# Altium PCB 掌控拓展板Ⅰ V2.0.PcbDoc (part 2 of 2)
Units mm, origin at the board's own origin, x right, y up, seen from the top; angles counter-clockwise.
Board outline 51.8 x 47.39 mm, 2 copper layers (Top Layer, Bottom Layer); 114 components, 71 nets, 372 pads, 179 vias.
Unrouted connection lines stored in the file: 4.
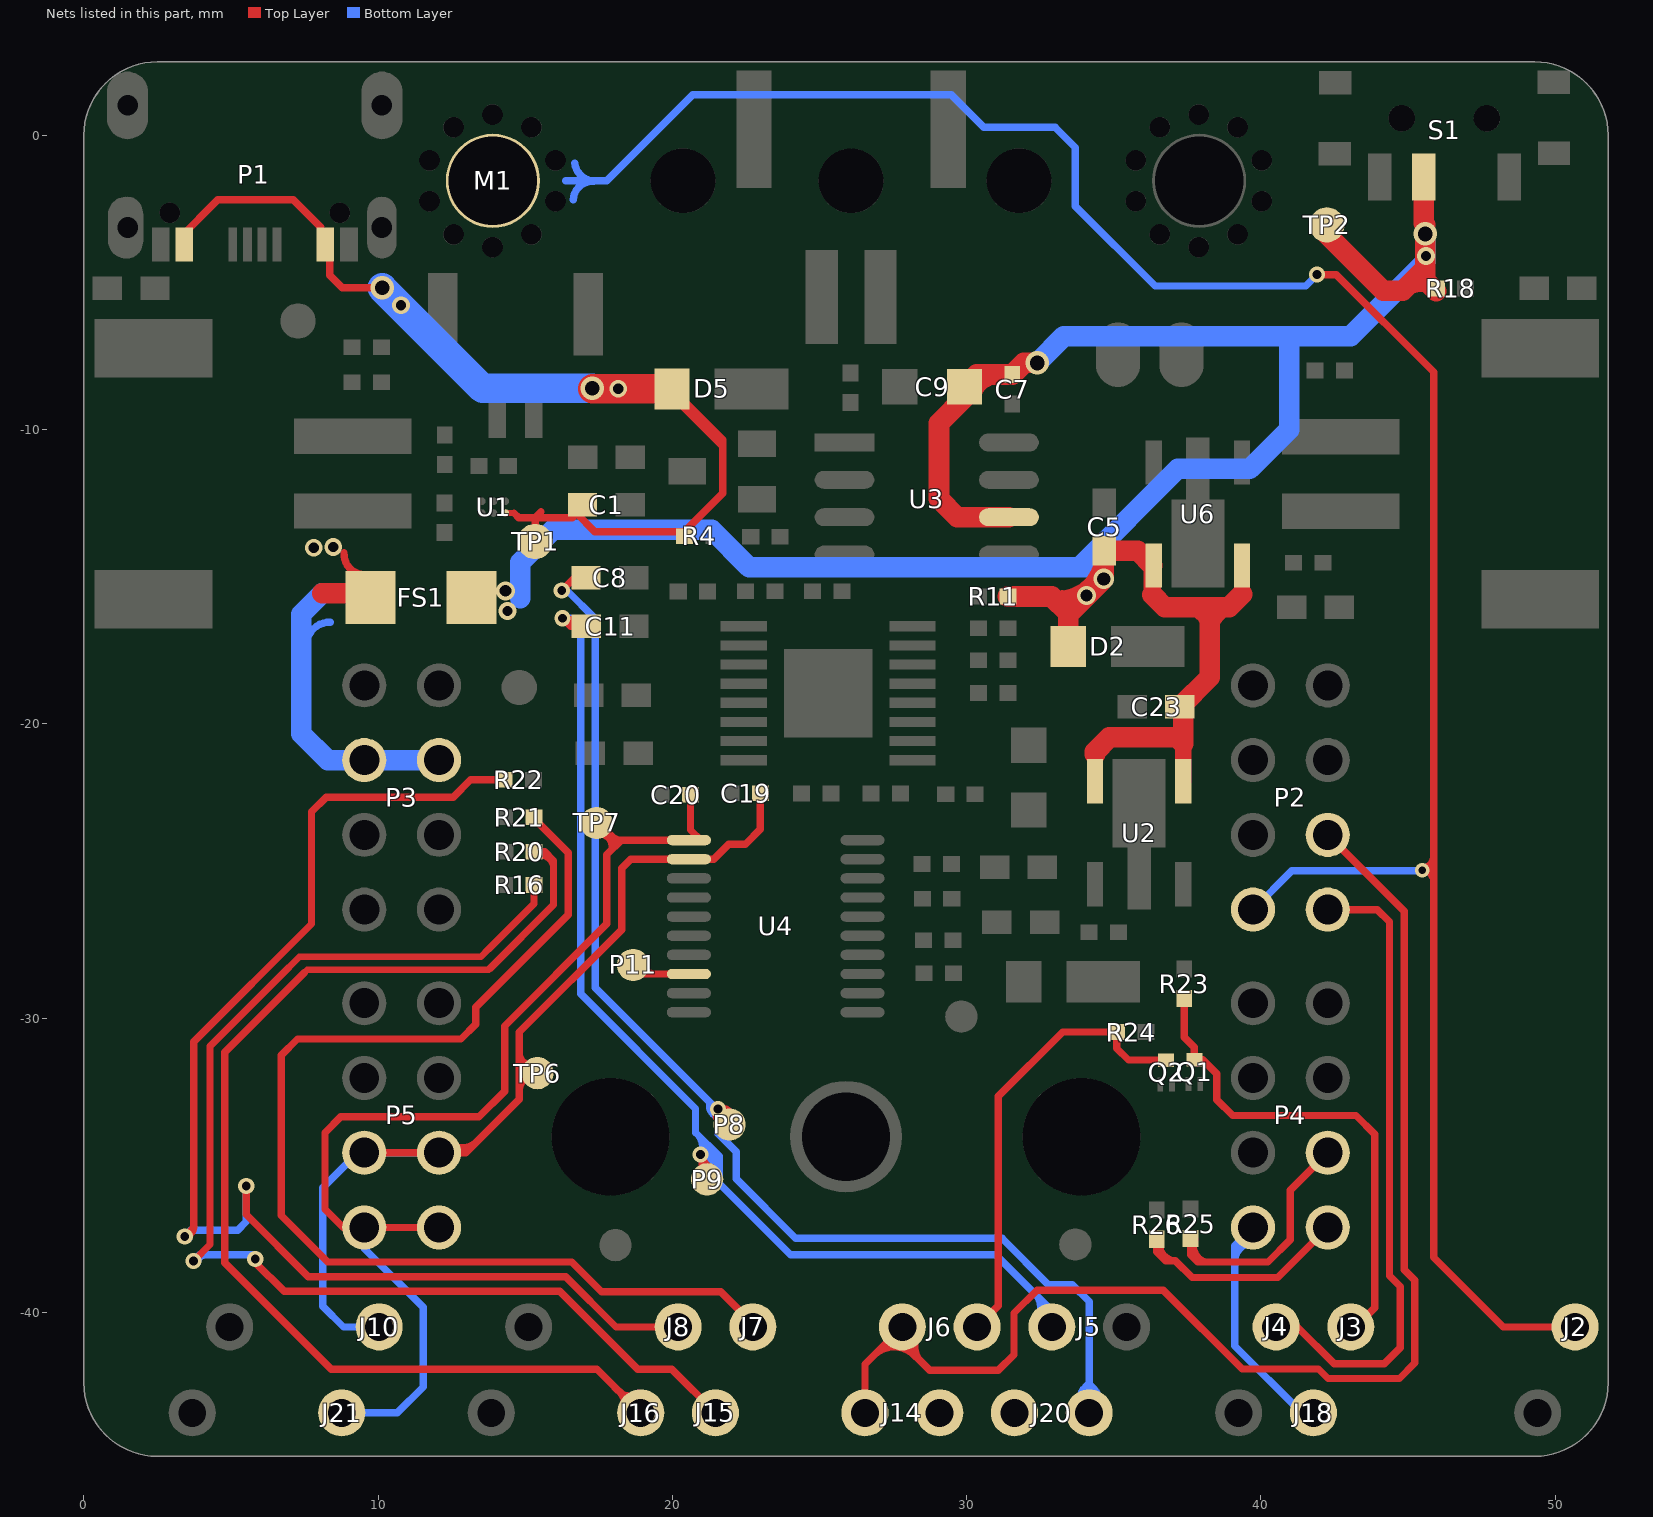
[diagram p2: the nets of this part, all layers, seen from the top]

## Via types
v1: diameter 0.5, hole 0.25, Top Layer to Bottom Layer, tented both sides, 78 vias
v2: diameter 0.55, hole 0.3, Top Layer to Bottom Layer, tented both sides, 70 vias
v3: diameter 0.6, hole 0.35, Top Layer to Bottom Layer, tented both sides, 9 vias
v4: diameter 0.8, hole 0.5, Top Layer to Bottom Layer, tented both sides, 8 vias
v5: diameter 0.55, hole 0.25, Top Layer to Bottom Layer, tented both sides, 7 vias
v6: diameter 0.6, hole 0.3, Top Layer to Bottom Layer, tented both sides, 3 vias
v7: diameter 0.65, hole 0.4, Top Layer to Bottom Layer, tented both sides, 2 vias
v8: diameter 0.65, hole 0.35, Top Layer to Bottom Layer, tented both sides, 1 vias
v9: diameter 0.7, hole 0.45, Top Layer to Bottom Layer, tented both sides, 1 vias

## Nets (pads, with @x,y where several pads share a name; then routed paths per layer and width w, separated by ;. In a path a pad name is that pad's centre, name@x,y a point inside that pad or via, vN(x,y) a via of type N, cw(c..) or ccw(c..) an arc to the next point about the centre after c; other vN are vias at no path point) (continued)
P2: J6.2 J14.2 P2.4 | length 48
  Top Layer w0.22: 26.897,-41.423 cw(c27.536,-42.164) 28.277,-41.526 ; J6.2@28.284,-40.765 ccw(c28.689,-41.121) 28.333,-41.526 ; J6.2@28.439,-40.628 ccw(c29.044,-41.144) 28.528,-41.749
  Top Layer w0.25: J14.2@26.544,-43.412 26.544,-41.762 J6.2@27.814,-40.492 27.814,-41.038 28.744,-41.968 31.071,-41.968 31.608,-41.43 31.608,-40.02 32.389,-39.239 36.676,-39.239 39.36,-41.923 41.957,-41.923 42.277,-42.243 44.707,-42.243 45.232,-41.718 45.232,-38.909 44.87,-38.547 44.87,-26.37 P2.4@42.27,-23.77
P3: J2.1 M1.1 P2.1 | length 82.6
  Top Layer w0.25: P2.1@39.211,-26.31 P2.1@39.73,-26.31 ; v2(41.908,-4.732) 42.56,-4.732 45.87,-8.042 45.87,-24.988 ; v1@45.467,-24.891 ccw(c45.489,-24.511) 45.869,-24.532 ; 45.869,-25.349 ccw(c45.488,-25.352) v1(45.485,-24.971) 45.852,-24.971 45.87,-24.988 ; J2.1@50.674,-40.492 48.229,-40.492 45.87,-38.132 45.87,-24.988
  Bottom Layer w0.25: 16.379,-1.545 17.771,-1.545 20.697,1.381 29.48,1.381 30.585,0.276 33.005,0.276 33.695,-0.414 33.695,-2.41 36.405,-5.119 41.521,-5.119 v2(41.908,-4.732) ; 16.629,-2.197 cw(c17.295,-2.227) 17.326,-1.561 ; 16.686,-0.945 ccw(c17.352,-0.877) 17.42,-1.543 ; P2.1@39.73,-26.31 41.052,-24.988 45.555,-24.988 v1@45.59,-24.953
P4: 
P5: P4.4 R25.1 | length 8.8
  Top Layer w0.25: R25.1@37.607,-37.488 37.607,-38.045 37.845,-38.283 40.24,-38.283 40.999,-37.525 40.999,-35.841 P4.4@42.27,-34.57 ; R25.1@37.749,-37.526 ccw(c38.288,-37.742) 38.072,-38.282
P5-A: J3.2 Q1.3 R23.2 | length 17.3
  Top Layer w0.25: R23.2@37.4,-29.331 37.4,-30.645 37.738,-30.984 Q1.3@37.738,-31.41 38.017,-31.41 38.498,-31.891 38.498,-32.769 39.038,-33.308 43.231,-33.308 43.87,-33.947 43.87,-39.834 43.211,-40.492 J3.2@43.054,-40.492 ; Q1.3@37.841,-31.509 cw(c37.933,-31.924) 38.208,-31.6
P6: J18.2 P4.1 | length 10.5
  Top Layer w0.25: J18.2@41.337,-43.412 J18.2@41.784,-43.412
  Bottom Layer w0.2: P4.1@39.122,-37.213 cw(c39.812,-37.306) P4.1@39.906,-36.616
  Bottom Layer w0.25: 39.12,-38.14 cw(c39.785,-38.295) P4.1@39.94,-37.631 ; P4.1@39.73,-37.11 39.116,-37.724 39.116,-41.137 41.391,-43.412 J18.2@41.784,-43.412
P7: J4.1 P2.2 | length 21.9
  Top Layer w0.25: J4.1@40.514,-40.492 41.239,-40.492 42.491,-41.743 44.191,-41.743 44.732,-41.202 44.732,-39.116 44.37,-38.754 44.37,-26.723 43.957,-26.31 P2.2@42.27,-26.31
P8: C8.2 J20.1 P8.1 | length 46.4
  Top Layer w0.2: v2@21.489,-33.002 ccw(c21.963,-33.21) P8.1@21.755,-33.683 ; v2@21.536,-33.031 cw(c21.624,-33.511) P8.1@22.103,-33.423 ; v2@21.7,-33.057 cw(c21.695,-33.322) P8.1@21.96,-33.327
  Top Layer w0.25: v2(16.243,-15.467) 16.679,-15.031 C8.2@17.056,-15.031
  Bottom Layer w0.22: 21.261,-32.854 ccw(c21.663,-32.963) v2@21.553,-33.365 ; 21.539,-33.444 ccw(c21.366,-33.264) v2(21.546,-33.091) ; J20.1@33.953,-43.552 cw(c34.627,-43.08) 34.155,-42.406 ; 34.172,-42.449 cw(c33.863,-43.006) J20.1@34.42,-43.315
  Bottom Layer w0.25: v2(16.243,-15.467) 16.42,-15.467 17.381,-16.429 17.381,-28.966 v2@21.526,-33.111 ; v2@21.546,-33.131 21.546,-33.917 22.167,-34.538 22.167,-35.458 24.193,-37.483 31.205,-37.483 32.775,-39.054 33.592,-39.054 34.165,-39.627 J20.1@34.165,-43.412
P9: C11.2 J5.2 P9.1 | length 43.5
  Top Layer w0.22: v2@20.881,-34.707 cw(c20.629,-34.979) P9.1@20.901,-35.23 ; v2@21.056,-34.56 ccw(c21.474,-34.666) P9.1@21.369,-35.084
  Top Layer w0.25: v2(16.268,-16.409) 16.537,-16.678 C11.2@17.076,-16.678 ; v2@16.318,-16.274 ccw(c16.591,-16.167) C11.2@16.698,-16.44 ; P9.1@21.179,-35.475 P9.1@21.381,-35.676
  Bottom Layer w0.22: 20.787,-33.886 cw(c20.397,-34.358) v2@20.869,-34.749 ; v2@20.901,-34.739 cw(c21.001,-35.327) 21.588,-35.227 ; v2@20.974,-34.54 cw(c21.069,-35.059) 21.588,-34.964 ; 32.199,-39.269 cw(c31.819,-39.84) J5.2@32.39,-40.221 ; 32.436,-39.496 cw(c32.05,-39.923) J5.2@32.478,-40.309
  Bottom Layer w0.25: v2(16.268,-16.409) 16.537,-16.409 16.881,-16.753 16.881,-29.174 20.787,-33.08 20.787,-33.886 ; 21.229,-34.328 20.787,-33.886 ; J5.2@32.894,-40.492 32.894,-39.943 30.986,-38.035 24.013,-38.035 21.594,-35.616 21.594,-34.693 20.787,-33.886
  other v2: 20.951,-34.634
P10: J20.2
P11: P4.2 R26.1 | length 8.3
  Top Layer w0.25: R26.1@36.458,-37.512 36.458,-37.931 36.766,-38.239 37.091,-38.239 37.662,-38.811 40.569,-38.811 P4.2@42.27,-37.11 ; R26.1@36.56,-37.466 ccw(c37.164,-37.638) 36.993,-38.241
P11-A: J6.1 Q2.3 R24.2 | length 15.8
  Top Layer w0.25: J6.1@30.457,-40.193 30.354,-40.295 J6.1@30.354,-40.492 31.072,-39.774 31.072,-32.656 33.26,-30.469 R24.2@35.095,-30.469 35.095,-31.018 35.498,-31.422 Q2.3@36.779,-31.422
P12: J14.1
P13: J7.2 R21.1 | length 39
  Top Layer w0.25: R21.1@15.291,-23.178 15.291,-23.205 16.463,-24.376 16.463,-26.482 13.316,-29.629 13.316,-30.205 12.817,-30.704 7.26,-30.704 6.711,-31.253 6.711,-36.703 8.291,-38.283 16.584,-38.283 17.593,-39.293 21.643,-39.293 22.734,-40.384 J7.2@22.734,-40.492
P14: J15.2 R16.1 | length 42.5
  Top Layer w0.22: 6.96,-28.279 7.322,-27.917 13.486,-27.917 13.768,-27.635
  Top Layer w0.25: v2(3.73,-38.249) 4.288,-37.692 4.288,-30.951 6.96,-28.279 ; v2@5.83,-38.041 5.83,-38.306 6.807,-39.283 16.17,-39.283 18.819,-41.932 19.985,-41.932 J15.2@21.464,-43.412 J15.2@21.464,-42.757 ; 13.768,-27.635 15.298,-26.106 R16.1@15.298,-25.473
  Bottom Layer w0.2: v2@3.877,-38.327 cw(c4.155,-38.342) 4.17,-38.064
  Bottom Layer w0.25: v2(3.73,-38.249) 3.938,-38.041 v2@5.83,-38.041
  other v2: 5.826,-38.18
P15: J8.1 R22.2 | length 44.9
  Top Layer w0.22: v2(3.432,-37.419) ccw(c3.432,-37.114) 3.737,-37.114
  Top Layer w0.25: v2(3.432,-37.419) 3.737,-37.114 3.737,-30.795 7.735,-26.797 7.735,-22.989 8.237,-22.486 12.55,-22.486 13.14,-21.897 R22.2@14.278,-21.897 ; v2(5.519,-35.701) 5.519,-36.672 7.631,-38.783 16.377,-38.783 18.085,-40.492 J8.1@20.194,-40.492
  Bottom Layer w0.2: v2@3.573,-37.493 cw(c3.848,-37.473) 3.827,-37.198
  Bottom Layer w0.25: v2(3.432,-37.419) 3.432,-37.4 3.629,-37.203 5.226,-37.203 5.519,-36.909 v2(5.519,-35.701)
P16: J16.1 R20.2 | length 41.6
  Top Layer w0.2: R20.2@15.39,-24.477 cw(c15.486,-24.939) 15.948,-24.842
  Top Layer w0.22: 7.487,-28.459 7.589,-28.357 13.753,-28.357 13.814,-28.297 ; 18.049,-42.58 cw(c17.713,-43.149) J16.1@18.282,-43.485 ; 18.056,-42.566 ccw(c18.531,-42.256) J16.1@18.841,-42.732
  Top Layer w0.25: 7.487,-28.459 4.788,-31.158 4.788,-38.308 8.405,-41.926 17.439,-41.926 J16.1@18.925,-43.412 ; 13.814,-28.297 15.963,-26.148 15.963,-24.645 15.661,-24.344 R20.2@15.304,-24.344
SCL: C19.2 J10.1 P5.3 P5.4 TP6.1 U4.12 | length 35.6
  Top Layer w0.25: P5.3@9.53,-34.57 P5.4@12.07,-34.57 12.977,-34.57 14.798,-32.749 14.798,-31.868 ; P5.4@12.385,-34.208 ccw(c12.859,-33.747) 13.32,-34.222 ; 14.797,-32.42 cw(c15.278,-32.452) TP6.1@15.31,-31.971 ; 14.797,-31.277 ccw(c15.215,-31.149) TP6.1@15.344,-31.567 ; TP6.1@15.416,-31.868 14.798,-31.868 ; C19.2@22.99,-22.351 22.99,-23.581 22.485,-24.086 21.917,-24.086 21.405,-24.598 U4.12@20.56,-24.598 18.58,-24.598 18.274,-24.904 18.274,-26.994 14.798,-30.47 14.798,-31.868
  Bottom Layer w0.25: J10.1@10.034,-40.492 8.823,-40.492 8.118,-39.786 8.118,-35.756 9.304,-34.57 P5.3@9.53,-34.57 P5.4@12.07,-34.57
SDA: C20.2 J21.1 P5.1 P5.2 TP7.1 U4.11 | length 42.6
  Top Layer w0.22: TP7.1@17.614,-23.757 cw(c17.506,-24.18) 17.928,-24.288 ; TP7.1@17.762,-23.322 ccw(c18.326,-23.384) 18.264,-23.948
  Top Layer w0.25: P5.2@12.07,-37.11 P5.1@9.53,-37.11 8.811,-37.11 8.196,-36.495 8.196,-33.887 8.734,-33.349 13.43,-33.349 14.298,-32.48 14.298,-30.262 17.774,-26.787 17.774,-24.438 18.264,-23.948 ; TP7.1@17.426,-23.365 18.01,-23.948 18.264,-23.948 ; C20.2@20.618,-22.338 20.618,-23.606 20.96,-23.948 U4.11@20.56,-23.948 18.264,-23.948
  Bottom Layer w0.25: J21.1@8.765,-43.412 10.652,-43.412 11.53,-42.534 11.53,-39.824 9.53,-37.824 P5.1@9.53,-37.11 P5.2@12.07,-37.11
SWIM: P11.1 U4.18 | length 2.8
  Top Layer w0.22: P11.1@18.943,-28.022 ccw(c19.394,-28.032) 19.385,-28.483
  Top Layer w0.25: P11.1@18.607,-28.217 18.888,-28.498 U4.18@20.56,-28.498
VBUS: C1.1 D5.A P1.A4 P1.A9 P1.B4 P1.B9 R4.2 TP1.1 U1.A2 | length 36.9
  Top Layer w0.2: U1.A2@14.322,-12.834 14.618,-12.834
  Top Layer w0.25: P1.A9@3.259,-3.707 3.259,-3.488 4.556,-2.191 7.121,-2.191 8.053,-3.123 ; P1.A4@8.359,-3.707 8.359,-4.758 8.783,-5.183 v4(10.137,-5.183) ; 14.618,-12.834 14.78,-12.996 15.336,-12.996 ; TP1.1@15.336,-13.801 15.336,-12.996 ; 15.535,-12.793 15.336,-12.992 15.336,-12.996 ; C1.1@16.977,-12.617 C1.1@16.745,-12.85 ; v4(17.278,-8.596) v4@17.297,-8.616 ; 15.336,-12.996 16.598,-12.996 C1.1@16.745,-12.85 ; C1.1@16.745,-12.85 17.366,-13.471 20.407,-13.471 21.711,-12.166 21.711,-10.568 ; 21.711,-10.568 19.989,-8.845 D5.A@19.989,-8.616 21.711,-10.338 21.711,-10.568
  Top Layer w1: v4@17.297,-8.616 D5.A@19.989,-8.616
  Bottom Layer w1: v4(10.137,-5.183) 13.551,-8.596 v4(17.278,-8.596)
  other v3: 18.156,-8.612 10.78,-5.77
VCC: C5.1 C7.1 C9.1 C23.1 D2.A FS1.2 R11.1 R18.1 S1.3 TP2.1 U2.4 U2.5 U3.6 U6.4 U6.5 | length 99.8
  Top Layer w0.25: C9.1@30.337,-8.943 cw(c31.079,-9.08) 31.216,-8.337 ; 33.056,-15.584 ccw(c33.138,-14.247) C5.1@34.476,-14.328 ; 33.084,-15.632 ccw(c33.479,-14.922) 34.189,-15.318 ; 37.531,-16.22 cw(c37.564,-16.722) 38.066,-16.689 ; 38.436,-16.867 cw(c39.079,-16.837) 39.049,-16.193 ; 44.977,-5.391 cw(c45.41,-5.787) R18.1@45.807,-5.353
  Top Layer w0.55: U2.5@34.361,-22.36 U2.5@34.361,-21.95 34.361,-21.03 ; U2.4@37.361,-21.95 37.361,-20.67 ; 39.355,-15.596 U6.5@39.355,-14.615
  Top Layer w0.6: 36.313,-15.614 U6.4@36.313,-14.616
  Top Layer w0.7: R11.1@31.404,-15.67 32.886,-15.67 33.452,-16.236 33.452,-16.28 ; U3.6@31.437,-12.975 29.685,-12.975 29.06,-12.35 29.06,-9.778 29.929,-8.909 C9.1@29.929,-8.543 30.346,-8.125 C7.1@31.555,-8.125 31.949,-7.732 v4(32.395,-7.732) ; D2.A@33.452,-17.367 33.452,-16.28 ; 34.361,-21.03 34.361,-20.951 34.855,-20.457 37.148,-20.457 37.361,-20.67 C23.1@37.361,-19.498 ; 36.313,-15.614 36.733,-16.034 38.056,-16.034 ; U6.4@36.313,-14.616 35.81,-14.114 34.652,-14.114 34.659,-14.121 v9(34.659,-15.073) 33.452,-16.28 ; C23.1@37.249,-19.423 38.261,-18.411 38.261,-16.239 38.056,-16.034 ; 39.355,-15.596 38.917,-16.034 38.056,-16.034 ; TP2.1@42.239,-3.041 42.239,-3.356 44.159,-5.276 44.819,-5.276 45.581,-4.514 ; S1.3@45.532,-1.419 45.532,-2.989 v4@45.581,-3.038 ; v4(45.581,-3.35) 45.581,-4.514 ; R18.1@45.958,-5.3 45.581,-4.923 45.581,-4.514
  Bottom Layer w0.7: 14.828,-15.728 14.828,-14.515 15.941,-13.403 21.337,-13.403 22.606,-14.673 33.831,-14.673 ; v4(32.395,-7.732) 33.307,-6.819 40.961,-6.819 ; v9(34.659,-15.073) 34.259,-14.673 33.831,-14.673 ; v4(45.581,-3.35) 45.581,-4.294 43.056,-6.819 40.961,-6.819 ; 33.831,-14.673 37.174,-11.329 39.626,-11.329 40.961,-9.995 40.961,-6.819
  other v3: 14.397,-16.164 45.608,-4.098
  other v7: 34.073,-15.635 14.331,-15.477
VCC1: FS1.1 P3.5 P3.6 | length 14.2
  Top Layer w0.25: 8.841,-14.177 ccw(c9.556,-14.213) FS1.1@9.521,-14.928 ; FS1.1@9.602,-15.563 FS1.1@9.737,-15.697
  Top Layer w0.7: 8.102,-15.563 FS1.1@9.602,-15.563
  Bottom Layer w0.25: 7.562,-17.31 cw(c8.357,-17.338) 8.384,-16.543
  Bottom Layer w0.7: 8.102,-15.563 7.391,-16.273 7.391,-20.334 8.286,-21.229 P3.5@9.531,-21.229 P3.6@12.071,-21.229
  other v3: 7.809,-14.014 8.476,-13.989
pads on no net: B1. B2. BT1.3 BT1.4 M1.12 M1.13 M1.14 M1.15 M1.16 M1.18 M1.19 M1.20 M1.22 M1.24 M2.12 M2.13 M2.14 M2.15 M2.16 M2.18 M2.19 M2.20 M2.22 M2.24 P1.4 P1.A5 P1.A6 P1.A7 P1.A8 P1.B5 P1.B6 P1.B7 P1.B8 P10.2@22.773,0.206 P10.3 S1.0 S1.1 S3.0 S3.1 S3.2 S3.3 S4.0 S4.1 S4.2 S4.3 S5.0 S5.1 S5.2 S5.3 S6.0 S6.1 S6.2 S6.3 U2.3 U4.2 U4.5 U4.6 U4.10 U4.15 U4.19 U4.20 U5.8 U6.3
copper on no net: | length 0.4
  Top Layer w0.25: 20.56,-29.798 20.976,-29.798

## Polygon pours and split planes (outlines as drawn)
GND on Top Layer "Bottom Layer-No Net" (solid, remove dead copper, pour order 4): -0.252,2.985 0.238,3.475 52.061,3.475 52.061,-44.367 51.51,-44.918 50.653,-45.776 -0.191,-45.776 -0.191,2.862 -0.374,3.046
AU_GND on Top Layer "Bottom Layer-No Net" (solid, remove dead copper, pour order 0): 23.312,-7.251 23.316,-4.761 23.326,0.504 27.154,0.504 28.754,0.504 33.955,-2.61 36.026,-4.681 36.66,-5.315 37.561,-5.315 38.15,-5.315 38.239,-5.404 39.766,-6.93 39.766,-8.037 39.766,-8.358 39.301,-8.822 38.296,-9.872 37.325,-9.872 35.886,-9.872 35.535,-10.224 33.973,-11.785 33.973,-13.338 33.973,-14.392 33.866,-14.499 33.295,-15.07 27.833,-15.07 24.655,-15.07 24.298,-14.713 23.986,-14.4 23.986,-12.285 23.986,-7.925
GND on Bottom Layer "Bottom Layer-No Net" (solid, remove dead copper, pour order 6): 1.004,2.831 1.157,2.985 51.694,2.985 51.694,-44.061 51.204,-44.551 50.224,-45.531 -0.497,-45.531 -0.497,1.82 0.606,2.923
AU_GND on Bottom Layer "Bottom Layer-No Net" (solid, remove dead copper, pour order 2): 23.335,-7.256 23.335,-7.221 23.335,0.537 28.479,0.537 28.692,0.324 31.177,-2.161 33.113,-2.161 33.494,-2.161 35.033,-3.7 36.611,-5.278 37.861,-5.278 38.181,-5.278 38.349,-5.446 39.804,-6.901 39.804,-8.212 39.804,-8.357 38.447,-9.713 38.287,-9.873 37.388,-9.873 35.963,-9.873 35.216,-10.621 34.02,-11.817 34.02,-13.593 34.02,-13.882 33.92,-13.981 33.516,-14.385 32.518,-14.385 24.562,-14.385 24.303,-14.126 23.952,-13.775 23.952,-9.614 23.952,-7.923 23.335,-7.305

## Keep-outs
Keep-Out Layer:
  lines w0.013: -0.028,0 0,0 ; 2.5,2.519 2.5,2.5 ; 49.3,-44.888 49.25,-44.888 2.55,-44.888 2.5,-44.888 ; 151.549,31.319 147.549,31.319 147.549,-67.463 151.549,-67.463 151.549,-63.961 151.549,-58.961 ; 151.549,-28.572 151.549,-23.573 151.549,-12.571 151.549,-7.571 ; 151.549,27.817 151.549,31.319 ; 153.549,-64.958 ccw(c156.056,-64.951) 156.049,-67.459 156.099,-67.459 202.799,-67.459 ; 156.099,-67.458 202.799,-67.458 ; 156.099,-20.071 202.799,-20.071 ; 209.349,-64.953 ccw(c211.856,-64.946) 211.849,-67.453 211.899,-67.453 258.599,-67.453 258.649,-67.453 ccw(c258.642,-64.946) 261.149,-64.954 ; 209.349,-22.565 cw(c211.856,-22.573) 211.849,-20.066 ; 211.835,-16.063 211.899,-16.063 ; 211.849,-67.453 cw(c211.856,-64.946) 209.349,-64.953 ; 211.899,-67.453 258.599,-67.453 ; 211.899,-20.065 258.599,-20.065 ; 263.149,-58.951 263.149,-63.951 263.149,-67.453 267.15,-67.453 ; 263.149,-28.563 263.149,-23.563 263.149,-12.561 263.149,-7.562 ; 263.149,27.827 263.149,31.329 267.149,31.329 267.149,-67.453 ; 0,-42.388 ccw(c2.507,-42.381) 2.5,-44.888 ; 0,-42.388 ccw(c2.507,-42.381) 2.5,-44.888 ; 0,-42.388 0,0 ; 0,-42.388 0,0 ; 0,0 cw(c2.507,-0.007) 2.5,2.5 ; 0,0 cw(c2.507,-0.007) 2.5,2.5 ; 2.5,2.5 2.55,2.5 ; 2.5,2.5 2.55,2.5 ; 2.55,2.5 49.25,2.5 ; 2.55,2.5 49.25,2.5 ; 49.25,2.5 49.3,2.5 ; 49.25,2.5 49.3,2.5 ; 49.3,2.5 cw(c49.293,-0.007) 51.8,0 ; 49.3,2.5 cw(c49.293,-0.007) 51.8,0 ; 51.8,-42.388 cw(c49.293,-42.38) 49.3,-44.888 ccw(c49.293,-42.38) 51.8,-42.388 ; 51.8,-42.388 51.8,0 ; 51.8,-42.388 51.8,0 ; 153.549,-22.571 cw(c156.056,-22.578) 156.049,-20.071 156.099,-20.071 202.799,-20.071 202.849,-20.071 ; 153.549,-22.571 153.549,-64.958 153.549,-22.571 ; 153.549,28.819 cw(c156.056,28.812) 156.049,31.319 ; 153.549,28.819 cw(c156.056,28.812) 156.049,31.319 ; 153.549,28.819 cw(c156.056,28.812) 156.049,31.319 ; 153.549,28.819 153.549,-13.568 153.549,28.819 ; 156.049,-16.069 cw(c156.056,-13.561) 153.549,-13.569 ccw(c156.056,-13.561) 156.049,-16.069 ; 156.049,-16.069 156.099,-16.069 ; 156.049,31.319 156.099,31.319 ; 156.099,-16.069 202.799,-16.069 ; 156.099,-16.069 202.799,-16.069 ; 156.099,31.319 202.799,31.319 ; 156.099,31.319 202.799,31.319 ; 202.799,-16.068 202.849,-16.068 ; 202.799,31.319 202.849,31.319 ; 202.849,-20.071 cw(c202.842,-22.578) 205.349,-22.571 ; 202.849,-20.071 cw(c202.842,-22.578) 205.349,-22.571 ; 202.849,-20.071 cw(c202.842,-22.578) 205.349,-22.571 ; 202.849,-20.071 cw(c202.842,-22.578) 205.349,-22.571 ; 202.849,-16.068 ccw(c202.842,-13.561) 205.349,-13.568 ; 202.849,-16.068 ccw(c202.842,-13.561) 205.349,-13.568 ; 202.849,31.319 cw(c202.842,28.812) 205.349,28.819 ; 202.849,31.319 cw(c202.842,28.812) 205.349,28.819 ; 202.849,31.319 cw(c202.842,28.812) 205.349,28.819 ; 202.849,31.319 cw(c202.842,28.812) 205.349,28.819 ; 202.849,31.319 cw(c202.842,28.812) 205.349,28.819 ; 205.349,-64.958 cw(c202.842,-64.951) 202.849,-67.458 ccw(c202.842,-64.951) 205.349,-64.958 ; 205.349,-64.958 205.349,-22.571 ; 205.349,-13.569 205.349,28.819 ; 205.349,-13.569 205.349,28.819 ; 205.349,-13.568 205.349,28.819 ; 209.349,-64.953 209.349,-22.565 ; 209.349,-64.953 209.349,-22.565 ; 209.349,-64.953 209.349,-22.565 ; 209.349,-22.565 cw(c211.856,-22.573) 211.849,-20.066 ; 209.349,28.825 cw(c211.856,28.817) 211.849,31.324 ; 209.349,28.825 cw(c211.856,28.817) 211.849,31.324 ; 209.349,28.825 cw(c211.856,28.817) 211.849,31.324 ; 209.349,28.825 209.349,-13.563 209.349,28.825 ; 211.849,-20.066 211.899,-20.066 258.599,-20.066 258.649,-20.066 ; 211.899,-16.063 258.599,-16.063 ; 211.899,-16.063 258.599,-16.063 ; 258.599,-16.063 258.649,-16.063 ; 258.599,31.324 211.899,31.324 258.599,31.324 ; 258.599,31.324 258.649,31.324 ; 258.649,-20.066 cw(c258.642,-22.573) 261.149,-22.565 ; 258.649,-20.066 cw(c258.642,-22.573) 261.149,-22.565 ; 258.649,-20.066 cw(c258.642,-22.573) 261.149,-22.565 ; 258.649,-16.063 ccw(c258.642,-13.556) 261.149,-13.563 ; 258.649,-16.063 ccw(c258.642,-13.556) 261.149,-13.563 ; 258.649,31.324 cw(c258.642,28.817) 261.149,28.825 ; 258.649,31.324 cw(c258.642,28.817) 261.149,28.825 ; 258.649,31.324 cw(c258.642,28.817) 261.149,28.825 ; 258.649,31.324 cw(c258.642,28.817) 261.149,28.825 ; 258.649,31.324 cw(c258.642,28.817) 261.149,28.825 ; 261.149,-64.953 cw(c258.642,-64.946) 258.649,-67.453 ccw(c258.642,-64.946) 261.149,-64.953 ; 261.149,-64.953 261.149,-22.565 ; 261.149,-64.953 261.149,-22.565 ; 261.149,-22.565 ccw(c258.642,-22.573) 258.649,-20.065 cw(c258.642,-22.572) 261.149,-22.565 ; 261.149,-13.563 261.149,28.825 ; 261.149,-13.563 261.149,28.825 ; 261.149,-13.563 261.149,28.825 ; 19.264,-1.545 ccw(c20.364,-1.545) 20.364,-2.645 ccw(c20.364,-1.545) 21.464,-1.545 ccw(c20.364,-1.545) 20.364,-0.445 ccw(c20.364,-1.545) 19.264,-1.545 ; 24.973,-1.545 ccw(c26.073,-1.545) 26.073,-2.645 ccw(c26.073,-1.545) 27.173,-1.545 ccw(c26.073,-1.545) 26.073,-0.445 ccw(c26.073,-1.545) 24.973,-1.545 ; 30.681,-1.545 ccw(c31.781,-1.545) 31.781,-2.645 ccw(c31.781,-1.545) 32.881,-1.545 ccw(c31.781,-1.545) 31.781,-0.445 ccw(c31.781,-1.545) 30.681,-1.545 ; 209.349,-13.563 ccw(c211.856,-13.556) 211.849,-16.063 cw(c211.856,-13.556) 209.349,-13.563
  lines w0.05: 151.549,-58.961 cw(c152.549,-58.961) 153.549,-58.958 ; 151.549,-28.573 ccw(c152.549,-28.57) 153.549,-28.57 ; 151.549,-7.571 cw(c152.549,-7.571) 153.549,-7.568 ; 151.549,22.817 ccw(c152.549,22.82) 153.549,22.82 ; 205.35,-58.958 cw(c207.35,-58.958) 209.35,-58.953 ; 205.349,-28.57 ccw(c207.349,-28.565) 209.349,-28.565 ; 205.349,-7.568 cw(c207.349,-7.568) 209.349,-7.563 ; 205.349,22.82 ccw(c207.349,22.825) 209.349,22.825 ; 261.149,-58.954 cw(c262.149,-58.954) 263.149,-58.951 ; 261.149,-28.566 ccw(c262.149,-28.563) 263.149,-28.563 ; 261.149,-7.564 cw(c262.149,-7.564) 263.149,-7.561 ; 261.149,22.824 ccw(c262.149,22.827) 263.149,22.827

## Other copper
Top Layer:
  region net VCC1: 9.051,-13.657 7.524,-13.657 7.524,-16.358 9.051,-16.358
  region net VBUS: 20.3,-13.203 17.553,-13.203 17.553,-13.338 20.3,-13.338
  region net GND: 13.946,-9.068 13.327,-9.068 13.327,-9.967 13.946,-9.967
  region net GND: 16.908,-18.723 16.196,-18.723 16.196,-19.29 16.908,-19.29
  region net GND: 35.84,-26.886 35.357,-26.886 35.357,-27.273 35.84,-27.273
  region net GND: 35.989,-26.201 35.557,-26.201 35.557,-27.142 35.989,-27.142
  region net GND: 35.377,-19.236 34.779,-19.236 34.779,-19.635 35.377,-19.635
  region net GND: 37.36,-12.667 36.257,-12.667 36.257,-13.226 37.36,-13.226
  region net GND: 35.419,-12.241 34.81,-12.241 34.81,-12.801 35.419,-12.801
  region net GND: 18.853,-11.212 18.301,-11.212 18.301,-12.475 18.853,-12.475
  region net GND: 10.755,-8.172 10.204,-8.172 10.204,-8.639 10.755,-8.639
  region net GND: 10.181,-3.332 9.025,-3.332 9.025,-4.087 10.181,-4.087
  region net GND: 2.604,-3.279 1.54,-3.279 1.54,-4.098 2.604,-4.098
  region net GND: 23.91,-13.704 23.409,-13.704 23.409,-14.822 23.91,-14.822
  region net VCC: 14.919,-14.821 13.335,-14.821 13.335,-16.55 14.919,-16.55
  region net VCC1: 9.549,-14.889 7.724,-14.889 7.724,-16.492 9.549,-16.492
  region net AU_GND: 31.025,-11.436 29.984,-11.436 29.984,-11.958 31.025,-11.958
  region net VCC: 45.989,-1.575 45.082,-1.575 45.082,-3.446 45.989,-3.446
  region net GND: 41.404,-1.197 39.75,-1.197 39.75,-2.098 41.404,-2.098
  region net GND: 22.282,-22.043 21.411,-22.043 21.411,-23.185 22.282,-23.185
  region net GND: 22.448,-22.821 21.3,-22.821 21.3,-23.339 22.448,-23.339
  region net VCC: 45.959,-2.995 45.096,-2.995 45.096,-3.984 45.959,-3.984
  region net GND: 35.418,-0.965 34.191,-0.965 34.191,-1.652 35.418,-1.652
  region net GND: 29.83,-25.512 29.267,-25.512 29.267,-27.595 29.83,-27.595
  region net GND: 11.293,1.388 8.895,1.388 8.895,0.727 11.293,0.727
  region net GND: 2.895,1.334 1.35,1.334 1.35,0.642 2.895,0.642
  region net GND: 1.163,-2.72 0.396,-2.72 0.396,-3.6 1.163,-3.6
  region net GND: 37.096,-34.122 37.096,-34.252 37.662,-34.819 37.662,-35.604 37.528,-35.738 37.18,-35.738 37.023,-35.581 37.023,-34.206 37.107,-34.122
  region net GND: 12.137,-13.252 12.141,-13.256 12.604,-13.256 12.807,-13.053 13.359,-13.053 13.456,-12.956 13.563,-12.956 13.627,-13.019 13.627,-13.536 13.286,-13.876 12.75,-13.876 12.585,-13.712 12.581,-13.716 12.317,-13.716 12.145,-13.543 12.145,-13.241
  region net NetBT1_1: 14.529,-12.373 14.778,-12.124 14.778,-11.742 15.198,-11.322 15.707,-11.322 15.863,-11.478 15.863,-11.769 15.676,-11.957 15.379,-11.957 14.802,-12.533 14.669,-12.533 14.524,-12.388
  region net VBUS: 11.289,-4.999 11.289,-6.13 11.21,-6.21 10.56,-6.21 9.63,-5.279 9.63,-4.896 9.793,-4.732 11.022,-4.732
  pour cut-out: 23.343,-33.51 23.29,-33.715 23.267,-34.055 23.302,-34.423 23.372,-34.771 23.559,-35.227 23.832,-35.657 24.282,-36.137 24.744,-36.414 25.445,-36.654 26.065,-36.678 26.94,-36.476 27.524,-36.125 27.963,-35.686 28.291,-35.218 28.489,-34.581 28.554,-33.932 28.466,-33.35 28.185,-32.692 27.805,-32.177 27.291,-31.727 26.811,-31.516 26.367,-31.405 25.729,-31.388 25.185,-31.47 24.653,-31.686 24.08,-32.061 23.694,-32.534 23.477,-32.979 23.349,-33.344 23.328,-33.499
  region net VBUS: 3.251,-3.901 3.247,-3.898 3.247,-3.124 4.579,-1.792 7.104,-1.792 8.359,-3.048 8.359,-4.166 8.294,-4.231 8.009,-4.231 7.95,-4.172 7.95,-3.227 7.157,-2.434 4.52,-2.434 3.224,-3.729 3.224,-3.914
  region net VBUS: 7.917,-3.147 7.917,-5.17 8.366,-5.619 10.878,-5.619 11.083,-5.415 11.083,-4.793 10.838,-4.549 8.624,-4.549 8.495,-4.42 8.495,-3.184 8.31,-2.999 7.929,-2.999 7.929,-3.139 7.919,-3.149
  region net VBUS: 19.874,-8.548 19.662,-8.759 19.662,-9.347 20.872,-10.557 21.155,-10.557 21.374,-10.775 21.374,-11.932 20.041,-13.241 17.653,-13.241 17.349,-12.963 17.349,-12.434 17.118,-12.203 15.492,-12.203 14.963,-12.731 14.616,-12.731 14.616,-12.791 14.556,-12.85 14.82,-13.115 16.278,-13.115 17.051,-13.888 20.542,-13.888 20.68,-13.749 20.68,-13.389 20.988,-13.082 21.652,-13.082 22.008,-12.725 22.008,-10.249 20.267,-8.508 19.861,-8.508
  pour cut-out: 22.468,-34.079 ccw(c25.968,-34.079) 25.968,-37.579 ccw(c25.968,-34.079) 29.468,-34.079 ccw(c25.968,-34.079) 25.968,-30.579 ccw(c25.968,-34.079)
Bottom Layer:
  region net VCC1: 8.908,-13.59 7.424,-13.59 7.424,-16.711 8.908,-16.711
  region net GND: 2.574,-3.195 1.226,-3.195 1.226,-3.922 2.574,-3.922
  region net GND: 10.047,-3.191 9.113,-3.191 9.113,-3.853 10.047,-3.853
  region net NetD5_C: 44.529,-2.485 43.52,-2.485 43.52,-3.945 44.529,-3.945
  region net VCC: 15.242,-14.793 13.793,-14.793 13.793,-16.541 15.242,-16.541
  region net VCC1: 8.844,-14.469 7.768,-14.469 7.768,-16.676 8.844,-16.676
  region net NetD5_C: 22.511,-5.137 21.474,-5.137 21.474,-6.867 22.511,-6.867
  region net VBUS: 18.539,-8.103 16.875,-8.103 16.875,-9.099 18.539,-9.099
  region net GND: 40.267,-1.032 40.267,-2.056 41.538,-2.056 41.538,-1.032
  region net GND: 35.457,-0.726 34.313,-0.726 34.313,-1.704 35.457,-1.704
  region net GND: 11.271,1.452 8.82,1.452 8.82,0.716 11.271,0.716
  region net GND: 2.756,1.281 1.393,1.281 1.393,0.663 2.756,0.663
  region net GND: 1.126,-2.726 0.402,-2.726 0.402,-3.589 1.126,-3.589
  region net VCC: 35.163,-13.608 35.178,-13.624 35.178,-15.513 34.683,-16.009 33.829,-16.009 32.64,-14.82 32.64,-14.629 33.166,-14.629 33.372,-14.423 34.18,-14.423 35.003,-13.6 35.01,-13.608 35.178,-13.608
  pour cut-out: 23.343,-33.51 23.29,-33.715 23.267,-34.055 23.302,-34.423 23.372,-34.771 23.559,-35.227 23.832,-35.657 24.282,-36.137 24.744,-36.414 25.445,-36.654 26.065,-36.678 26.94,-36.476 27.524,-36.125 27.963,-35.686 28.291,-35.218 28.489,-34.581 28.554,-33.932 28.466,-33.35 28.185,-32.692 27.805,-32.177 27.291,-31.727 26.811,-31.516 26.367,-31.405 25.729,-31.388 25.185,-31.47 24.653,-31.686 24.08,-32.061 23.694,-32.534 23.477,-32.979 23.349,-33.344 23.328,-33.499
  pour cut-out: 22.4,-34.027 ccw(c25.9,-34.027) 25.9,-37.527 ccw(c25.9,-34.027) 29.4,-34.027 ccw(c25.9,-34.027) 25.9,-30.527 ccw(c25.9,-34.027)

## Silkscreen, mask and mechanical layers (free items; w line width, h text height)
Top Overlay:
  circle w0.25: c24.282,-10.434 r0.367
  rectangle: 62.431,69.956 64.318,71.847
  rectangle: 30.951,61.468 32.765,63.282
  rectangle: 16.731,56.942 18.472,58.678
  region: 36.51,-6.431 35.966,-6.431 35.966,-8.688 36.51,-8.688
  lines w0.127: -11.713,23.193 70.952,23.193 ; -11.71,28.668 70.952,28.668 ; -11.709,90.788 70.952,90.762 ; -11.699,56.058 70.952,56.012 ; -11.679,68.658 70.952,68.658 ; -11.679,73.328 70.952,73.328 ; -11.679,77.948 70.952,77.948 ; -11.659,60.458 70.952,60.458 ; -11.639,81.898 70.952,81.898 ; -11.619,64.668 70.952,64.668 ; -11.619,86.008 70.952,86.008 ; 70.952,17.912 70.952,103.512 ; 70.952,17.918 -11.711,17.918 -11.711,103.518 ; 70.952,95.512 -11.711,95.512 -11.711,103.518 ; 70.952,103.518 -11.711,103.518 ; 16.658,56.864 18.55,56.864 18.55,58.756 16.658,58.756 16.658,56.864 ; 16.695,61.386 18.586,61.386 18.586,63.277 16.695,63.277 16.695,61.386 ; 16.728,69.941 18.614,69.941 18.614,71.833 16.728,71.833 16.728,69.941 ; 16.731,56.942 18.472,56.942 18.472,58.678 16.731,58.678 16.731,56.942 ; 16.773,61.464 18.508,61.464 18.508,63.199 16.773,63.199 16.773,61.464 ; 16.801,70.019 18.541,70.019 18.541,71.755 16.801,71.755 16.801,70.019 ; 28.859,69.868 28.859,71.76 30.751,71.76 30.751,69.868 28.859,69.868 ; 28.937,69.946 28.937,71.682 30.673,71.682 30.673,69.946 28.937,69.946 ; 30.882,61.386 30.882,63.277 32.774,63.277 32.774,61.386 30.882,61.386 ; 30.941,56.914 30.941,58.806 32.832,58.806 32.832,56.914 30.941,56.914 ; 30.96,61.464 30.96,63.199 32.696,63.199 32.696,61.464 30.96,61.464 ; 31.019,56.992 31.019,58.728 32.754,58.728 32.754,56.992 31.019,56.992 ; 38.301,69.941 40.192,69.941 40.192,71.833 38.301,71.833 38.301,69.941 ; 38.379,70.019 40.114,70.019 40.114,71.755 38.379,71.755 38.379,70.019 ; 47.565,61.386 49.456,61.386 49.456,63.277 47.565,63.277 47.565,61.386 ; 47.643,61.464 49.383,61.464 49.383,63.199 47.643,63.199 47.643,61.464 ; 47.956,69.89 49.843,69.89 49.843,71.782 47.956,71.782 47.956,69.89 ; 48.029,69.968 49.77,69.968 49.77,71.704 48.029,71.704 48.029,69.968 ; 62.418,69.941 64.31,69.941 64.31,71.833 62.418,71.833 62.418,69.941 ; 62.496,70.019 64.232,70.019 64.232,71.755 62.496,71.755 62.496,70.019
  lines w0.15: 14.752,56.043 14.752,95.512 ; 40.675,-12.361 40.675,-12.335 40.7,-12.309
  lines w0.175: 17.93,-7.296 33.93,-7.296 ; 17.93,-7.295 17.93,2.104 33.93,2.104 33.93,-7.288
  lines w0.2: 13.376,-32.833 15.357,-32.833 15.357,-37.26 13.407,-37.26
  text "PCB加工工艺要求说明" at 9.552,98.112 h5
  text "层数:" at -6.398,92.262 h3
  text "层" at 20.752,92.262 h3
  text "2" at 16.952,92.212 h3
  text "1" at -9.979,91.979 h2
  text "mm" at 22.052,87.712 h3
  text "1.6" at 16.952,87.462 h3
  text "板厚:" at -6.395,87.412 h3
  text "2" at -9.979,87.049 h2
  text "FR4 双面玻纤板" at 16.752,83.162 h3
  text "材料:" at -6.395,83.112 h3
  text "3" at -9.979,82.859 h2
  text "大于35um" at 16.652,79.162 h3
  text "铜箔厚度:" at -6.398,79.112 h3
  text "4" at -9.979,79.012 h2
  text "5" at -9.979,75.039 h2
  text "过孔处理:" at -6.348,74.912 h3
  text "盖油" at 16.452,74.812 h3
  text "表面处理:" at -6.348,70.162 h3
  text "镀镍" at 31.651,70.139 h3
  text "抗氧化" at 19.802,70.071 h3
  text "镀金" at 41.127,70.062 h3
  text "沉金" at 64.852,70.057 h3
  text "无铅喷锡" at 50.467,70.003 h3
  text "6" at -9.979,69.909 h2
  text "沉金厚度:" at -6.348,66.012 h3
  text "金厚>1u\"" at 16.652,65.862 h3
  text "7" at -9.979,65.759 h2
  text "阻焊，字符颜色：" at -6.351,61.862 h3
  text "8" at -9.979,61.769 h2
  text "绿油白字" at 19.552,61.562 h3
  text "亮黑油白字" at 33.252,61.512 h3
  text "红油白字" at 50.352,61.462 h3
  text "符合RoHS标准：" at -6.348,57.562 h3
  text "9" at -9.979,57.539 h2
  text "是" at 19.852,57.012 h3
  text "否" at 34.302,57.012 h3
  text "拼板方式：" at -6.348,53.262 h3
  text "10" at -9.979,53.052 h2
  text "见右图" at 23.852,43.512 h2.52
  text "版本：" at 45.36,25.045 h3
  text "PCB名称：" at -9.307,24.906 h3
  text "把我司料号丝印在工艺板上" at 10.576,20.785 h2.5
  text "其他特殊说明:" at -9.307,19.562 h3
  text "生产日期请丝印在PCB正面指定的位置。" at 8.845,18.446 h2.5
  text "此款是外观件，注意沉金颜色、油墨丝颜色和白油丝印" at 9.137,14.95 h2.5
  text "+" at 23.725,-4.807 h1.5
  text "VBAT" at 8.347,-6.414 h0.8
  text "喇叭" at 39.132,-6.733 h1.8
  text "+" at 38.963,-7.993 h1
  text "-" at 13.035,-10.787 h1.8
  text "+" at 15.149,-11.387 h1.8
  text "VBUS" at 15.842,-17.752 h0.8 r90
  text "GND" at 13.705,-20.679 h0.8
  text "SDA" at 16.542,-25.232 h0.8
  text "SWIM" at 14.618,-28.797 h0.85
  text "SCL" at 13.918,-30.816 h0.8
  text "V2.0" at 18.207,-31.536 h1.5
  text "NRST" at 28.992,-31.831 h0.8
  text "P8" at 21.925,-32.712 h0.8
  text "P9" at 22.13,-35.984 h0.8
  text "GND" at 29.763,-36.542 h0.9
  text "3.3V" at 14.299,-38.45 h0.8
  text "掌控拓展板Ⅰ" at 19.466,-38.681 h2.5
  text "下方这两排(0.95MM)插孔要求走正公差+0到0.05MM内" at 18.865,-52.358 h3
  text "生产日期请丝印再此处（ TOP Overlay层）" at 2.629,-64.336 h3
Bottom Overlay:
  drawing of 37527 lines, arcs and shapes, not listed
Top Solder:
  lines w0.013: 13.979,-3.043 ccw(c13.9,-1.544) 15.389,-1.728
Bottom Solder:
  drawing of 7884 lines, arcs and shapes, not listed
Mechanical 7:
  circle w0.15: c25.9,-34.027 r3
  lines w0.15: 14.571,-45.254 14.571,-44.336 ; 15.401,-44.336 14.571,-44.336 ; 18.062,-52.506 18.062,-47.827 ; 19.371,-44.669 20.752,-44.669 ; 20.752,-45.529 20.752,-44.669 ; 14.571,-44.336 18.062,-47.827 ; 18.062,-47.827 18.062,-47.359 20.752,-44.669
  lines w0.2: 13.308,-37.041 14.348,-36.001 ; 14.348,-61.478 14.348,-36.001 ; 15.427,-37.08 14.348,-36.001

## Text inside footprints (layer, text, board x,y; h text height)
D1: Top Overlay "+" at 3.835,-5.696 h1
D3: Top Overlay "+" at 51.28,-4.691 h1